# Altium PCB iono_pico.PcbDoc (part 1 of 2)
Units mil, origin at the board's own origin, x right, y up, seen from the top; angles counter-clockwise.
Board outline 3937.01 x 1975 mil, 4 copper layers (Top Layer, Layer 1, Layer 2, Bottom Layer), stack 13.956 mil thick; 175 components, 115 nets, 513 pads, 244 vias.
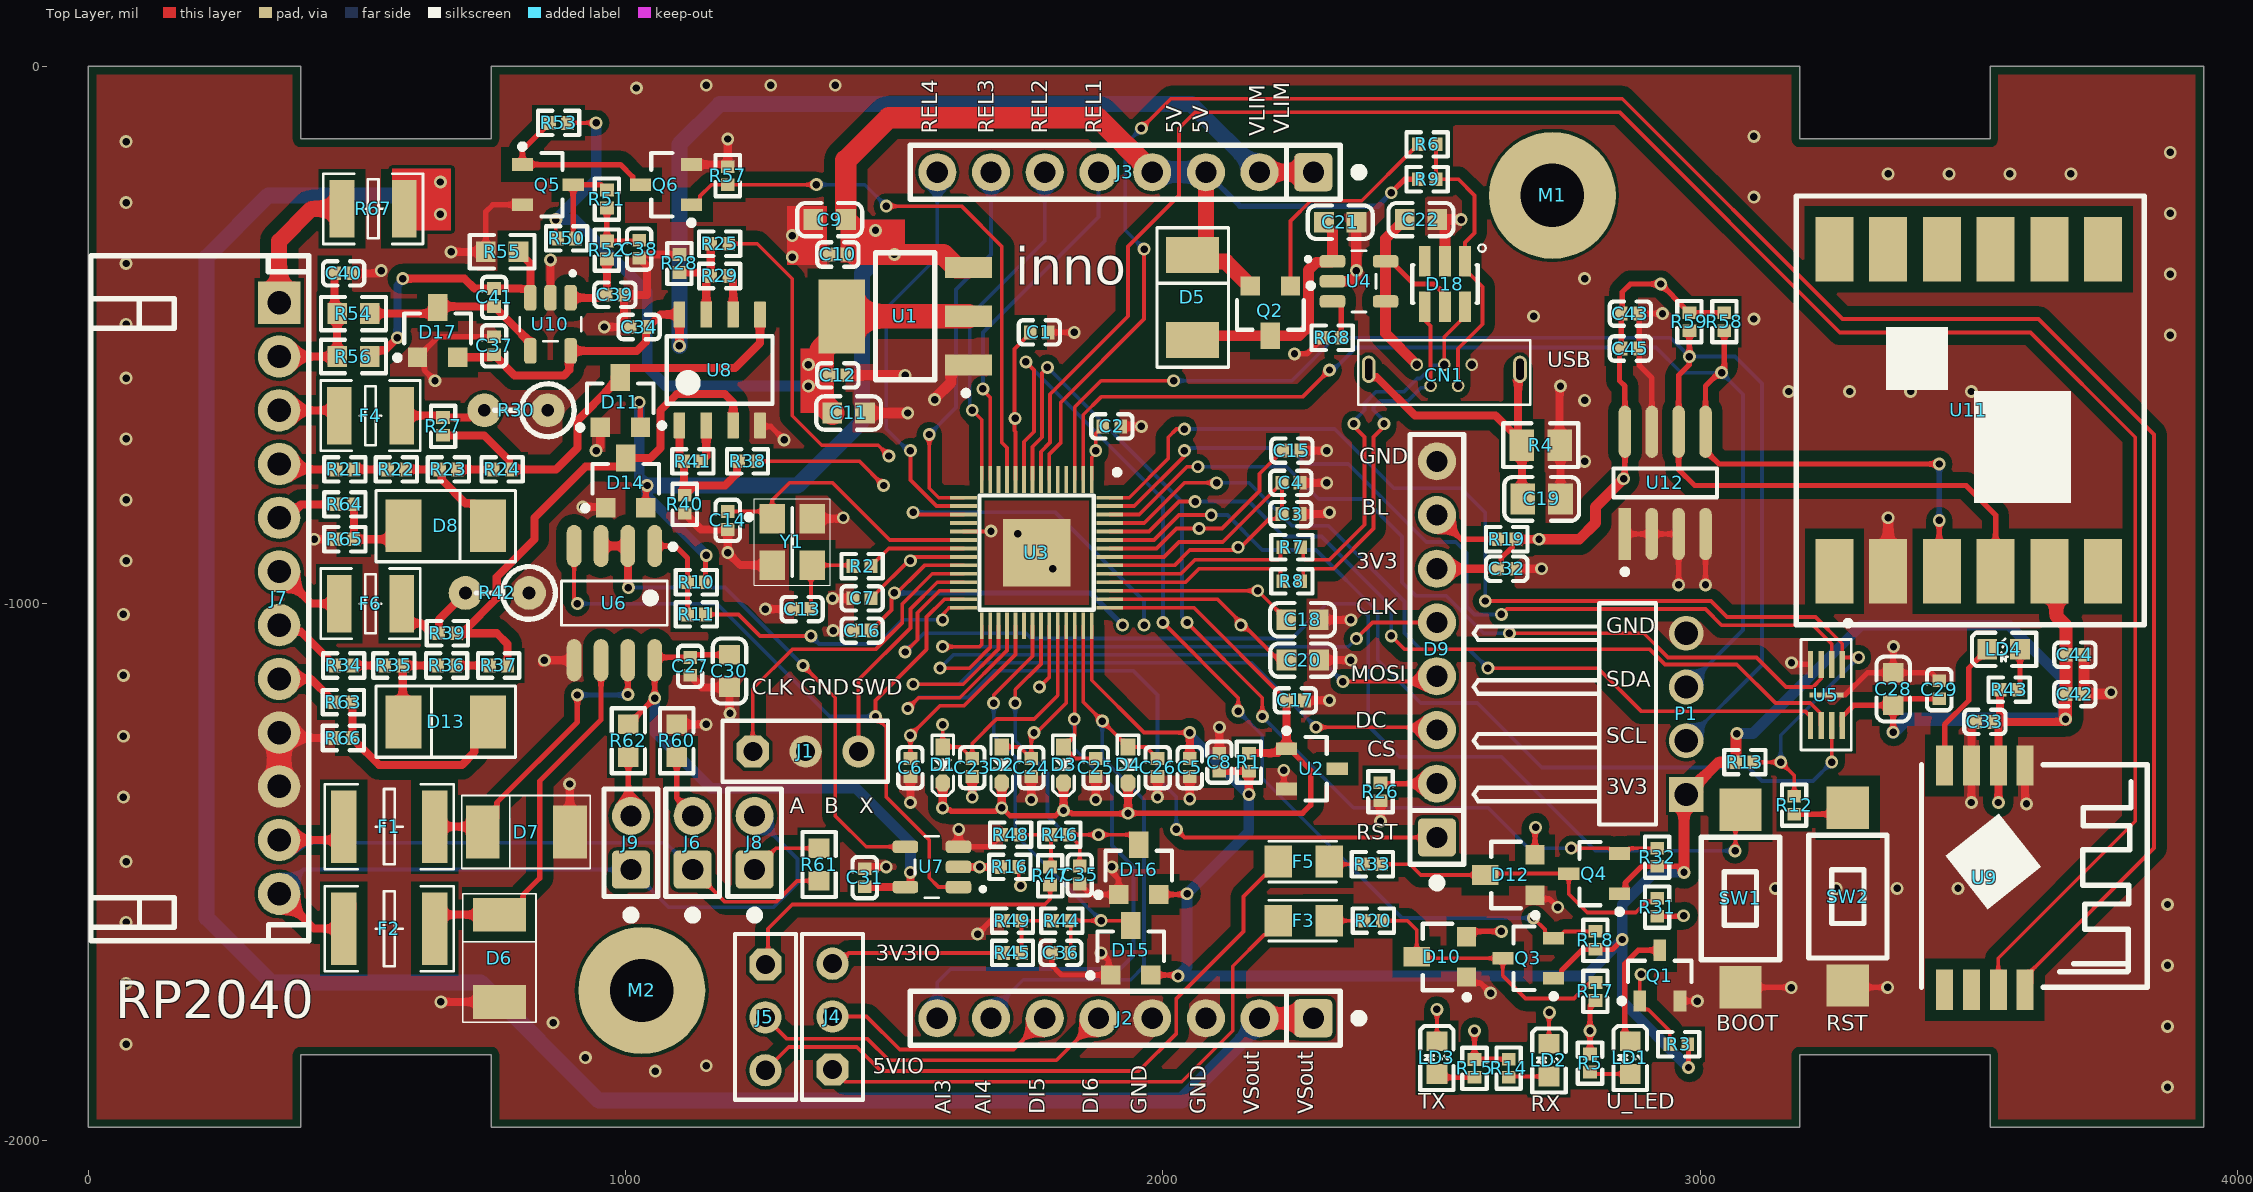
[diagram p0: Top Layer view]
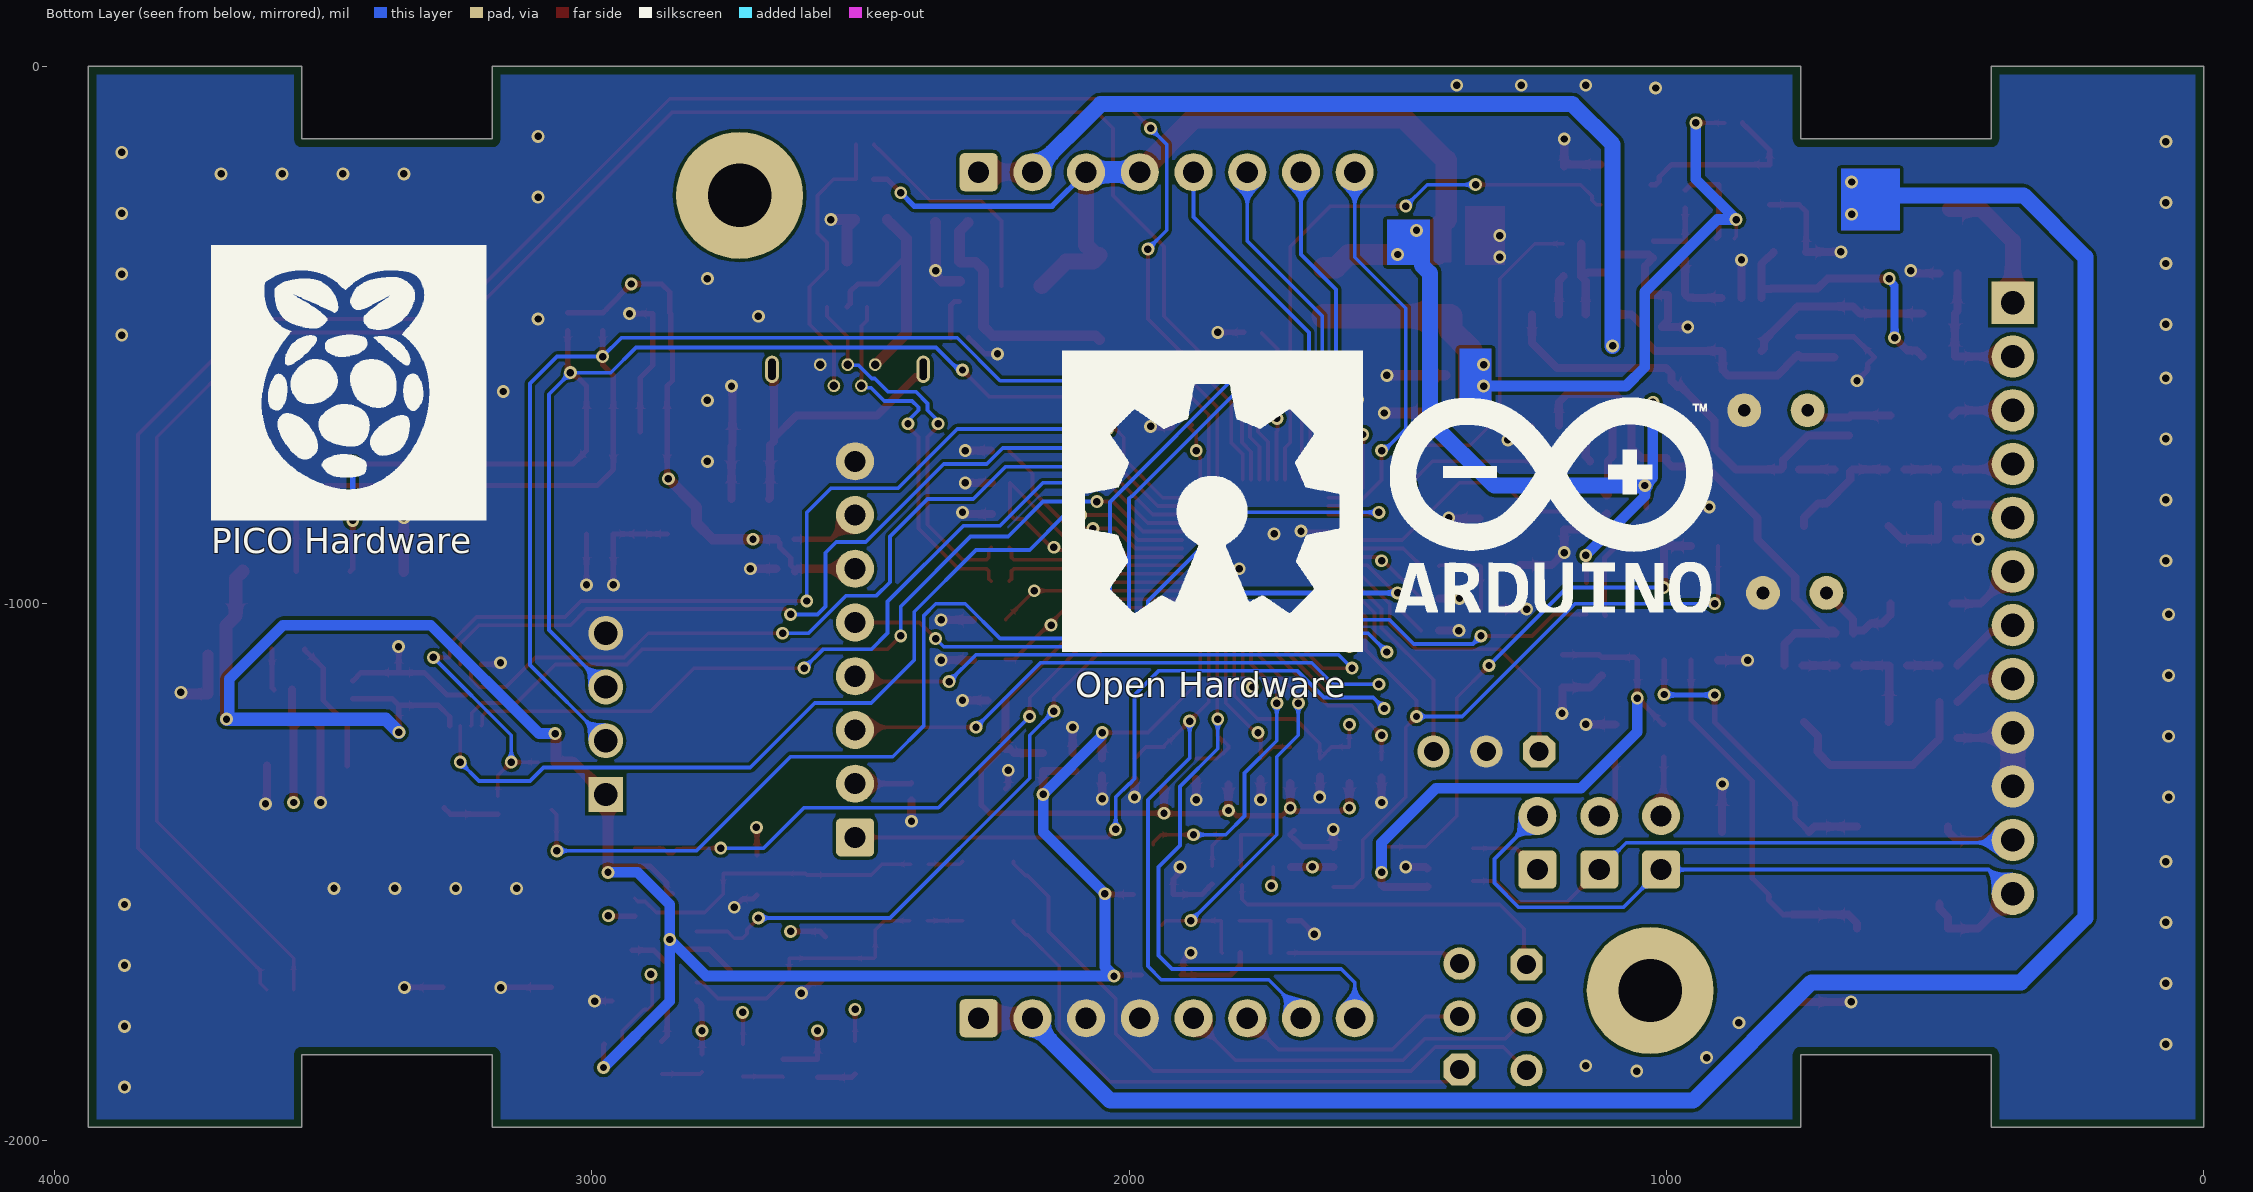
[diagram p1: Bottom Layer view, seen from below]
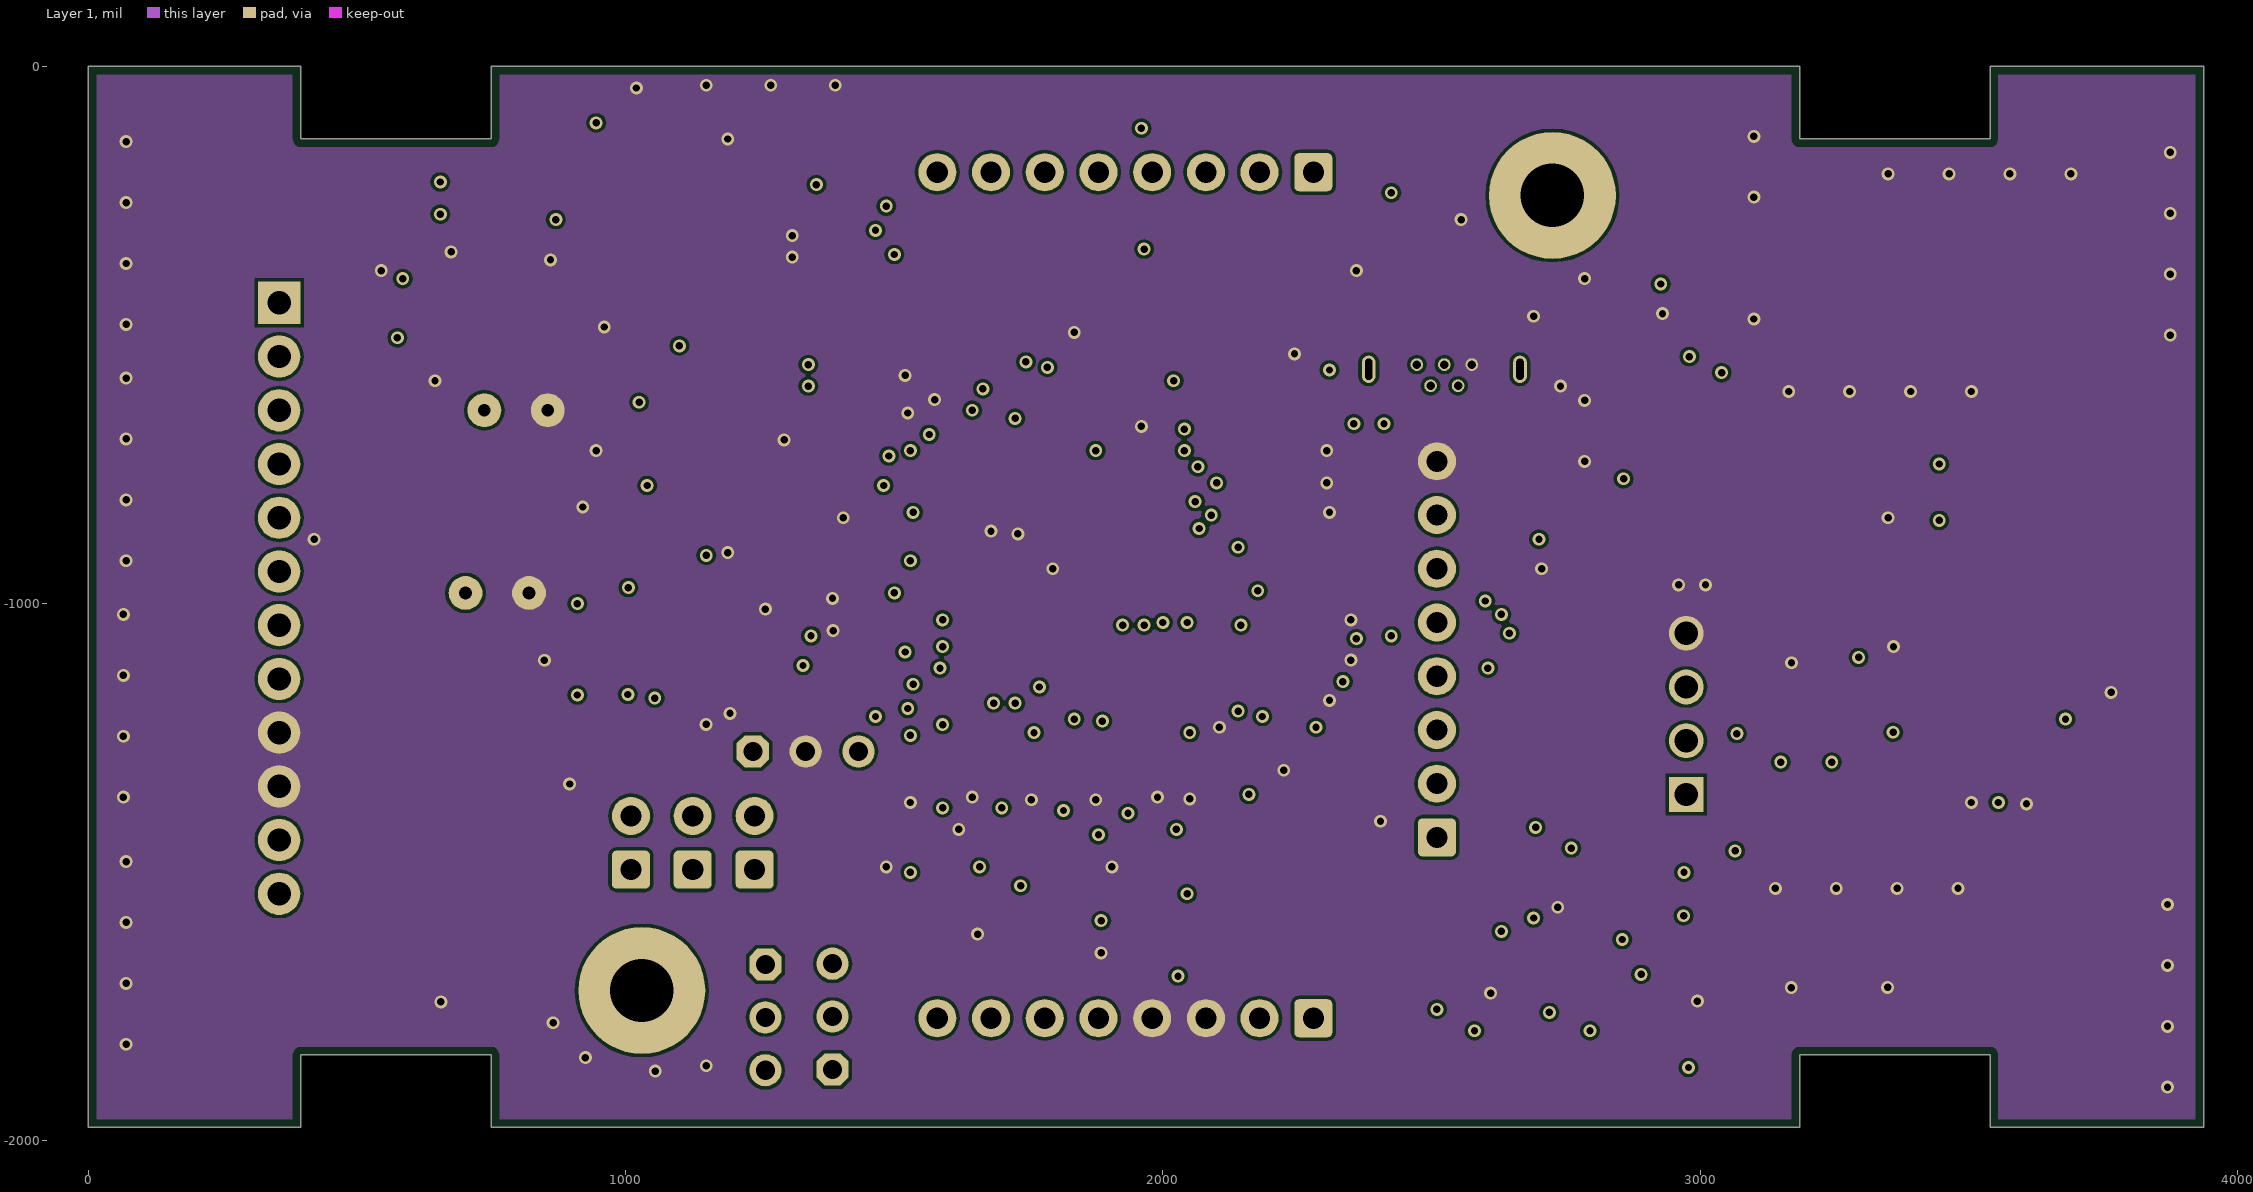
[diagram p2: Layer 1]
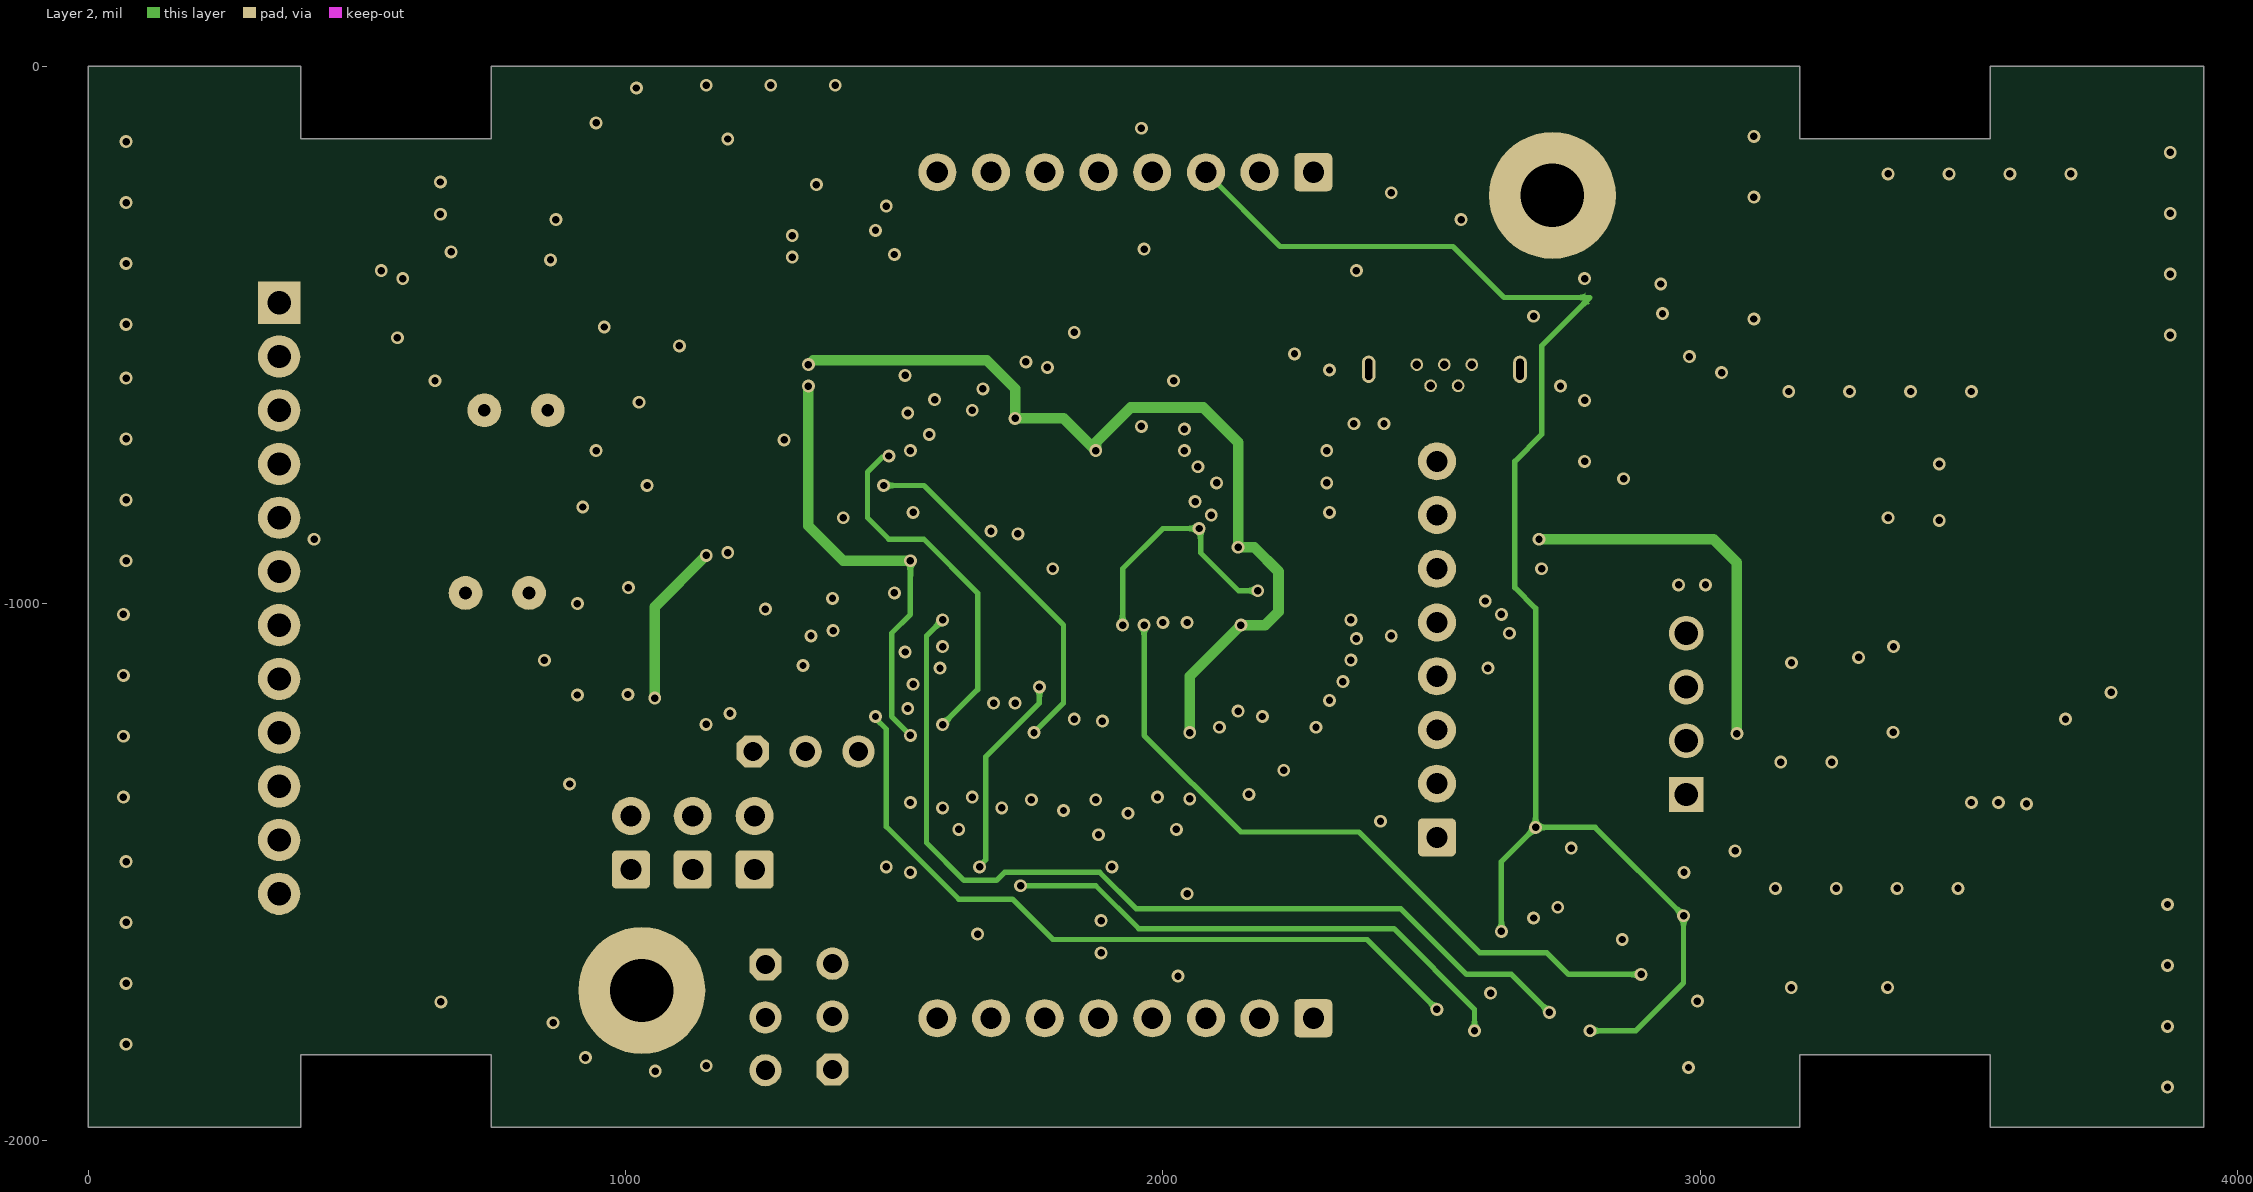
[diagram p3: Layer 2]

## Layer stack, top to bottom
Top Solder: solder mask 0.4, Solder Resist, Dk 3.5
Top Layer: signal copper 1.4
Dielectric 2: prepreg 2.8, PP-006, Dk 4.1
Layer 1: signal copper 1.3779
Dielectric 1: prepreg 2.8, PP-006, Dk 4.1
Layer 2: signal copper 1.3779
Dielectric 3: prepreg 2.8, PP-006, Dk 4.1
Bottom Layer: signal copper 1.4
Bottom Solder: solder mask 0.4, Solder Resist, Dk 3.5

## Board outline
0,-1975 395,-1975 395,-1840 750,-1840 750,-1975 3185,-1975 3185,-1840 3540,-1840 3540,-1975 3937.01,-1975 3937.01,0 3540,0 3540,-135 3185,-135 3185,0 750,0 750,-135 395,-135 395,0 0,0

## Design rules (kind name [scope] priority, off if disabled: settings)
BoardOutlineClearance [All] p1: gap=15 ignorepadtopadclearanceinfootprint=FALSE
Clearance [All] p1: gap=6 ignorepadtopadclearanceinfootprint=FALSE except(2: Arc-SMDPad Track-SMDPad SMDPad-SMDPad)
DiffPairsRouting [All] p1: maxlimit=10 minlimit=5 mostfreqgap=10 toplayer_minwidth=7 toplayer_maxwidth=15 toplayer_prefwidth=15 midlayer1_mingap=10 midlayer1_minwidth=15 midlayer1_maxwidth=15 midlayer1_prefwidth=15 midlayer2_mingap=10 midlayer2_minwidth=15 midlayer2_maxwidth=15 midlayer2_prefwidth=15 bottomlayer_minwidth=7 bottomlayer_maxwidth=15 bottomlayer_prefwidth=15 maxuncoupledlength=500
HoleSize [All] p1: absolutevalues=TRUE maxlimit=3000 minlimit=1 maxpercent=80.000 minpercent=20.000
PlaneConnect PlaneConnect_1 [All] p1: planeconnectstyle=Relief reliefexpansion=20 reliefentries=4 reliefconductorwidth=10 reliefairgap=10
PlaneConnect PlaneConnectgnd [InNet('GND')] p2: planeconnectstyle=Direct reliefexpansion=20 reliefentries=4 reliefconductorwidth=10 reliefairgap=10
PolygonConnect [InNet('GND')] p1: connectstyle=Direct reliefconductorwidth=10 reliefentries=4 polygonreliefangle="90 Angle" airgapwidth=10
PolygonConnect PolygonConnectgnd [All] p2: connectstyle=Relief reliefconductorwidth=20 reliefentries=4 polygonreliefangle="90 Angle" airgapwidth=15
RoutingVias [All] p1: holewidth=28 width=50 viastyle="Through Hole" minholewidth=28 minwidth=50 maxholewidth=28 maxwidth=50
SolderMaskExpansion [All] p1: expansion=4
Width [All] p1: maxlimit=99 minlimit=6 preferedwidth=10 minimp=50.000000 maximp=50.000000 favimp=50.000000
27 further rules are at their usual default settings.

## Classes and differential pairs
component class device: C32 C33 C34 C35 C36 C37 C38 C39 C40 C41 C42 C43 C44 C45 D8 D9 D10 D11 D12 D13 D14 D15 D16 D17 F3 F4 F5 F6 J4 J5 J6 J7 J8 J9 LD4 M1 M2 P1 Q3 Q4 Q5 Q6 R17 R18 R19 R20 R21 R22 R23 R24 R25 R26 R27 R28 R29 R30 R31 R32 R33 R34 R35 R36 R37 R38 R39 R40 R41 R42 R43 R44 R45 R46 R47 R48 R49 R50 R51 R52 R53 R54 R55 R56 R57 R58 R59 R60 R61 R62 R63 R64 R65 R66 R67 U8 U9 U10 U11 U12
component class core: C1 C2 C3 C4 C5 C6 C7 C8 C9 C10 C11 C12 C13 C14 C15 C16 C17 C18 C19 C20 C21 C22 C23 C24 C25 C26 C27 C28 C29 C30 C31 CN1 D1 D2 D3 D4 D5 D6 D7 D18 F1 F2 J1 J2 J3 LD1 LD2 LD3 Q1 Q2 R1 R2 R3 R4 R5 R6 R7 R8 R9 R10 R11 R12 R13 R14 R15 R16 R68 SW1 SW2 U1 U2 U3 U4 U5 U6 U7 Y1
differential pair USB: +USB_P -USB_N
differential pair USB_RP: +USB_RP_P -USB_RP_N

## Components (designator, comment, footprint, x,y, rotation, side; value= is the part's Value field where it differs from the comment)
C1 "100nF (104) 10% 50V" 0402_C 1770,-495 r180 top
C2 "100nF (104) 10% 50V" 0402_C 1905,-670 r180 top
C3 "100nF (104) 10% 50V" 0402_C 2238.27,-833.15 r180 top
C4 "100nF (104) 10% 50V" 0402_C 2238.27,-775 r180 top
C5 "100nF (104) 10% 50V" 0402_C 2050,-1305 r90 top
C6 "100nF (104) 10% 50V" 0402_C 1530,-1305 r90 top
C7 "100nF (104) 10% 50V" 0402_C 1440,-990 r0 top
C8 "100nF (104) 10% 50V" 0402_C 2105,-1295 r270 top
C9 "10uF (106) 10% 25V" 0603_C 1379.68,-285 r0 top
C10 "100nF (104) 10% 50V" 0402_C 1395,-350 r0 top
C11 "10uF (106) 10% 25V" 0603_C 1415,-645 r180 top
C12 "100nF (104) 10% 50V" 0402_C 1395,-575 r180 top
C13 "15pF (100) 5% 16V" 0402_C 1328.27,-1010 r180 top
C14 "15pF (100) 5% 16V" 0402_C 1190,-845 r90 top
C15 "100nF (104) 10% 50V" 0402_C 2240,-715 r0 top
C16 "100nF (104) 10% 50V" 0402_C 1440,-1050 r180 top
C17 "100nF (104) 10% 50V" 0402_C 2246.73,-1180 r0 top
C18 "2.2uF (100) 5% 10V" 0603_C 2260,-1030 r180 top
C19 "1nF/1kV" 0805_C 2705.04,-805 r180 top
C20 "2.2uF (100) 5% 10V" 0603_C 2260.32,-1105 r0 top
C21 "10uF (106) 10% 25V" 0603_C 2330,-290 r180 top
C22 "10uF (106) 10% 25V" 0603_C 2480.32,-285 r180 top
C23 "220pF 10% 50V" 0402_C 1645,-1305 r90 top
C24 "220pF 10% 50V" 0402_C 1755,-1305 r90 top
C25 "220pF 10% 50V" 0402_C 1875,-1305 r90 top
C26 "220pF 10% 50V" 0402_C 1990,-1305 r90 top
C27 "100nF (104) 10% 50V" 0402_C 1120,-1116.73 r270 top
C28 "2.2uF (100) 5% 10V" 0603_C 3359.35,-1158.9 r270 top
C29 "100nF (104) 10% 50V" 0402_C 3445,-1160 r90 top
C30 "10uF  25V" 0603_C 1193.21,-1125.44 r90 top
C31 "100nF (104) 10% 50V" 0402_C 1445,-1510 r270 top
C32 "100nF (104) 10% 50V" 0402_C 2640,-935 r0 top
C33 "100nF (104) 10% 50V" 0402_C 3530,-1220 r180 top
C34 "100nF (104) 10% 50V" 0402_C 1025,-485 r180 top
C35 "220pF 10% 50V" 0402_C 1845,-1505 r90 top
C36 "220pF 10% 50V" 0402_C 1810,-1650 r0 top
C37 "100nF (104) 10% 50V" 0402_C 755,-520 r90 top
C38 "100nF (104) 10% 50V" 0402_C 1025,-340 r90 top
C39 "100nF (104) 10% 50V" 0402_C 980,-425 r180 top
C40 "100nF (104) 10% 50V" 0402_C 475,-385 r0 top
C41 "100nF (104) 10% 50V" 0402_C 755,-430 r90 top
C42 "100nF (104) 10% 50V" 0402_C 3697.68,-1168.2 r0 top
C43 "100nF (104) 10% 50V" 0402_C 2870,-460 r0 top
C44 "100nF (104) 10% 50V" 0402_C 3697.68,-1095.05 r0 top
C45 "100nF (104) 10% 50V" 0402_C 2870,-525 r0 top
CN1 "Micro USB 2.0" USB-MICRO-A 2523.82,-574.69 r0 top
D1 "RB751S40T1G" SOD-523 1590,-1300 r270 top
D2 "RB751S40T1G" SOD-523 1700,-1300 r270 top
D3 "RB751S40T1G" SOD-523 1815,-1300 r270 top
D4 "RB751S40T1G" SOD-523 1935,-1300 r270 top
D5 "B340A-13-F" DO-214AC 2055,-430 r270 top
D6 "SMBJ6.0CA" DO-214AA 765,-1660 r270 top
D7 "SMBJ6.0CA" DO-214AA 815,-1425 r0 top
D8 "S1M" DO-214AC 665,-855 r180 top
D9 "st7735" HX-2.54-F-1x8-V 2510,-1435 r90 top
D10 "BAT54S,215" SOT-23-3 2518.74,-1657.6 r0 top
D11 "BAT54S,215" SOT-23-3 990,-625 r270 top
D12 "BAT54S,215" SOT-23-3 2646.26,-1505 r0 top
D13 "S1M" DO-214AC 665,-1220 r0 top
D14 "BAT54S,215" SOT-23-3 1000,-775 r270 top
D15 "BAT54S,215" SOT-23-3 1940,-1645 r270 top
D16 "BAT54S,215" SOT-23-3 1955,-1495 r270 top
D17 "BAT54S,215" SOT-23-3 650,-495 r270 top
D18 "ESDU5V0H4" SOT23-6 2525,-405 r0 top
F1 "TLC-MSMD014" 1812_R 560,-1415 r0 top
F2 "TLC-MSMD014" 1812_R 560,-1605 r0 top
F3 "BSMD0603-001-60V" "FU 0805" 2260,-1590 r0 top
F4 "JK-SMD1210-005" 1210_R 525,-650 r0 top
F5 "BSMD0603-001-60V" "FU 0805" 2260,-1480 r0 top
F6 "JK-SMD1210-005" 1210_R 525,-1000 r0 top
J1 "HDR-1x3Pos" HDR-2.54-1x3-V 1335,-1275 r0 top
J2 "HDR-1x8Pos" "Pin Header 1x8 TH Pitch 2.54mm" 2280,-1771.65 r180 top locked
J3 "HDR-1x8Pos" "Pin Header 1x8 TH Pitch 2.54mm" 2280,-196.85 r180 top locked
J4 "HDR-S-1x3Pos" HX-2.54-F-1x3-V 1385,-1768.5 r90 top
J5 "HDR-S-1x3Pos" HX-2.54-F-1x3-V 1260,-1770 r270 top